# KiCad board hermod-left.kicad_pcb
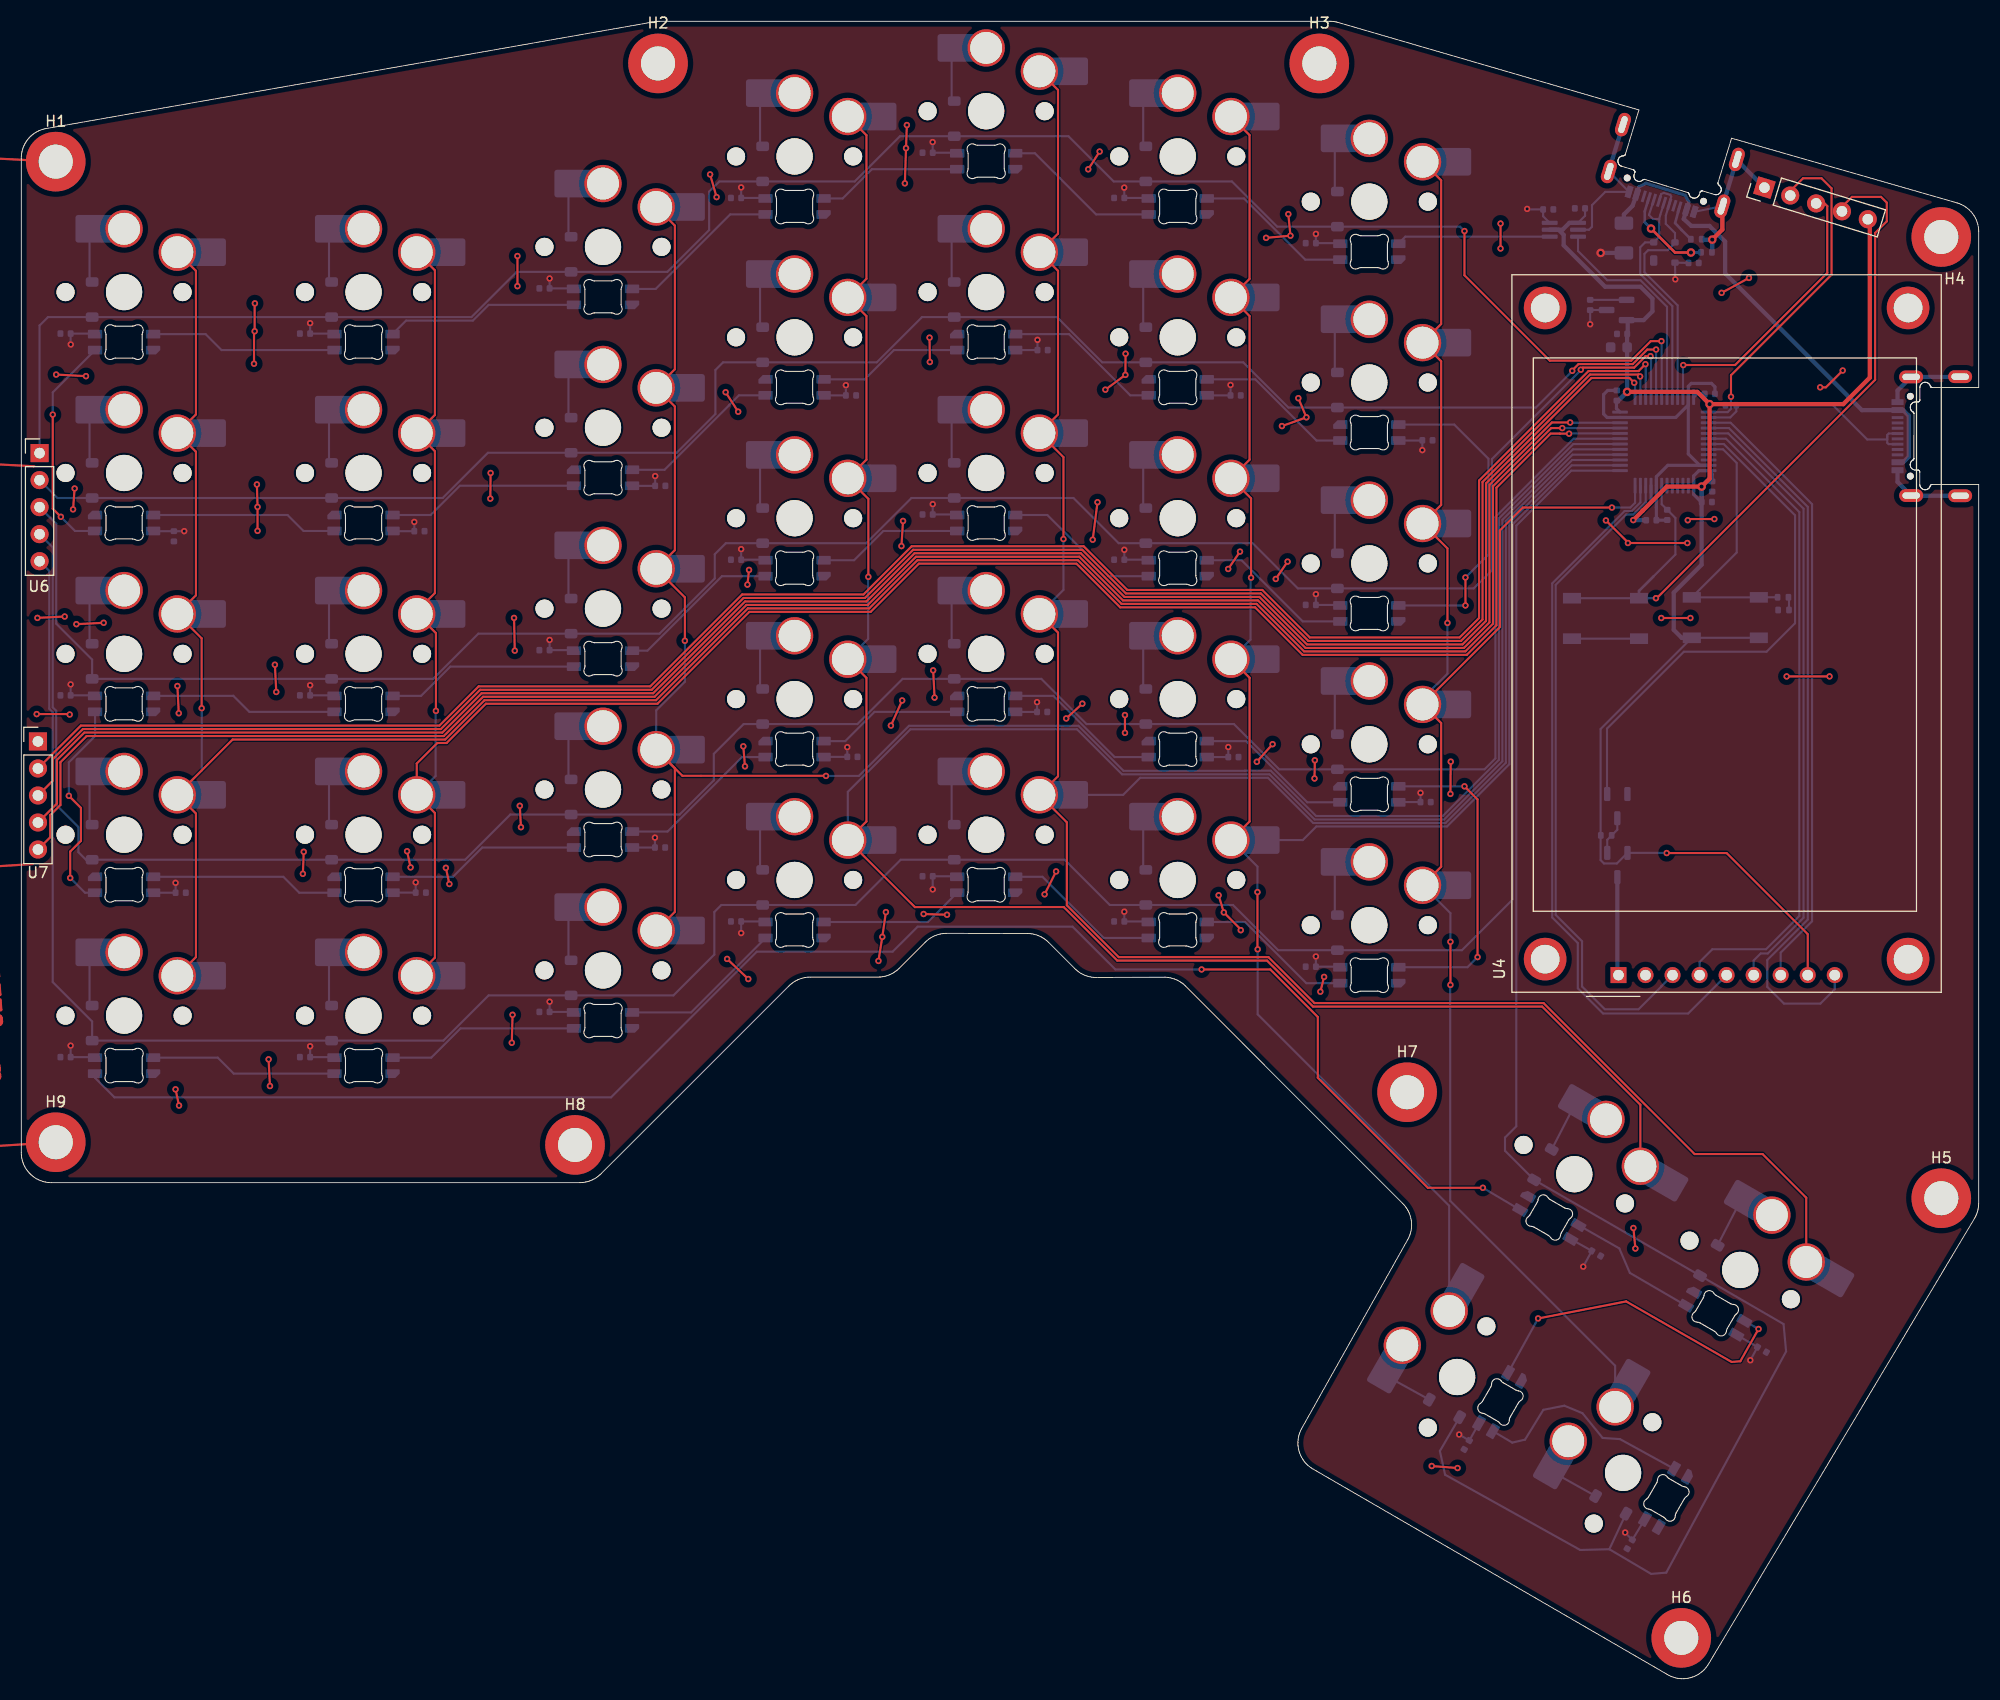
[diagram p0: board, top side]
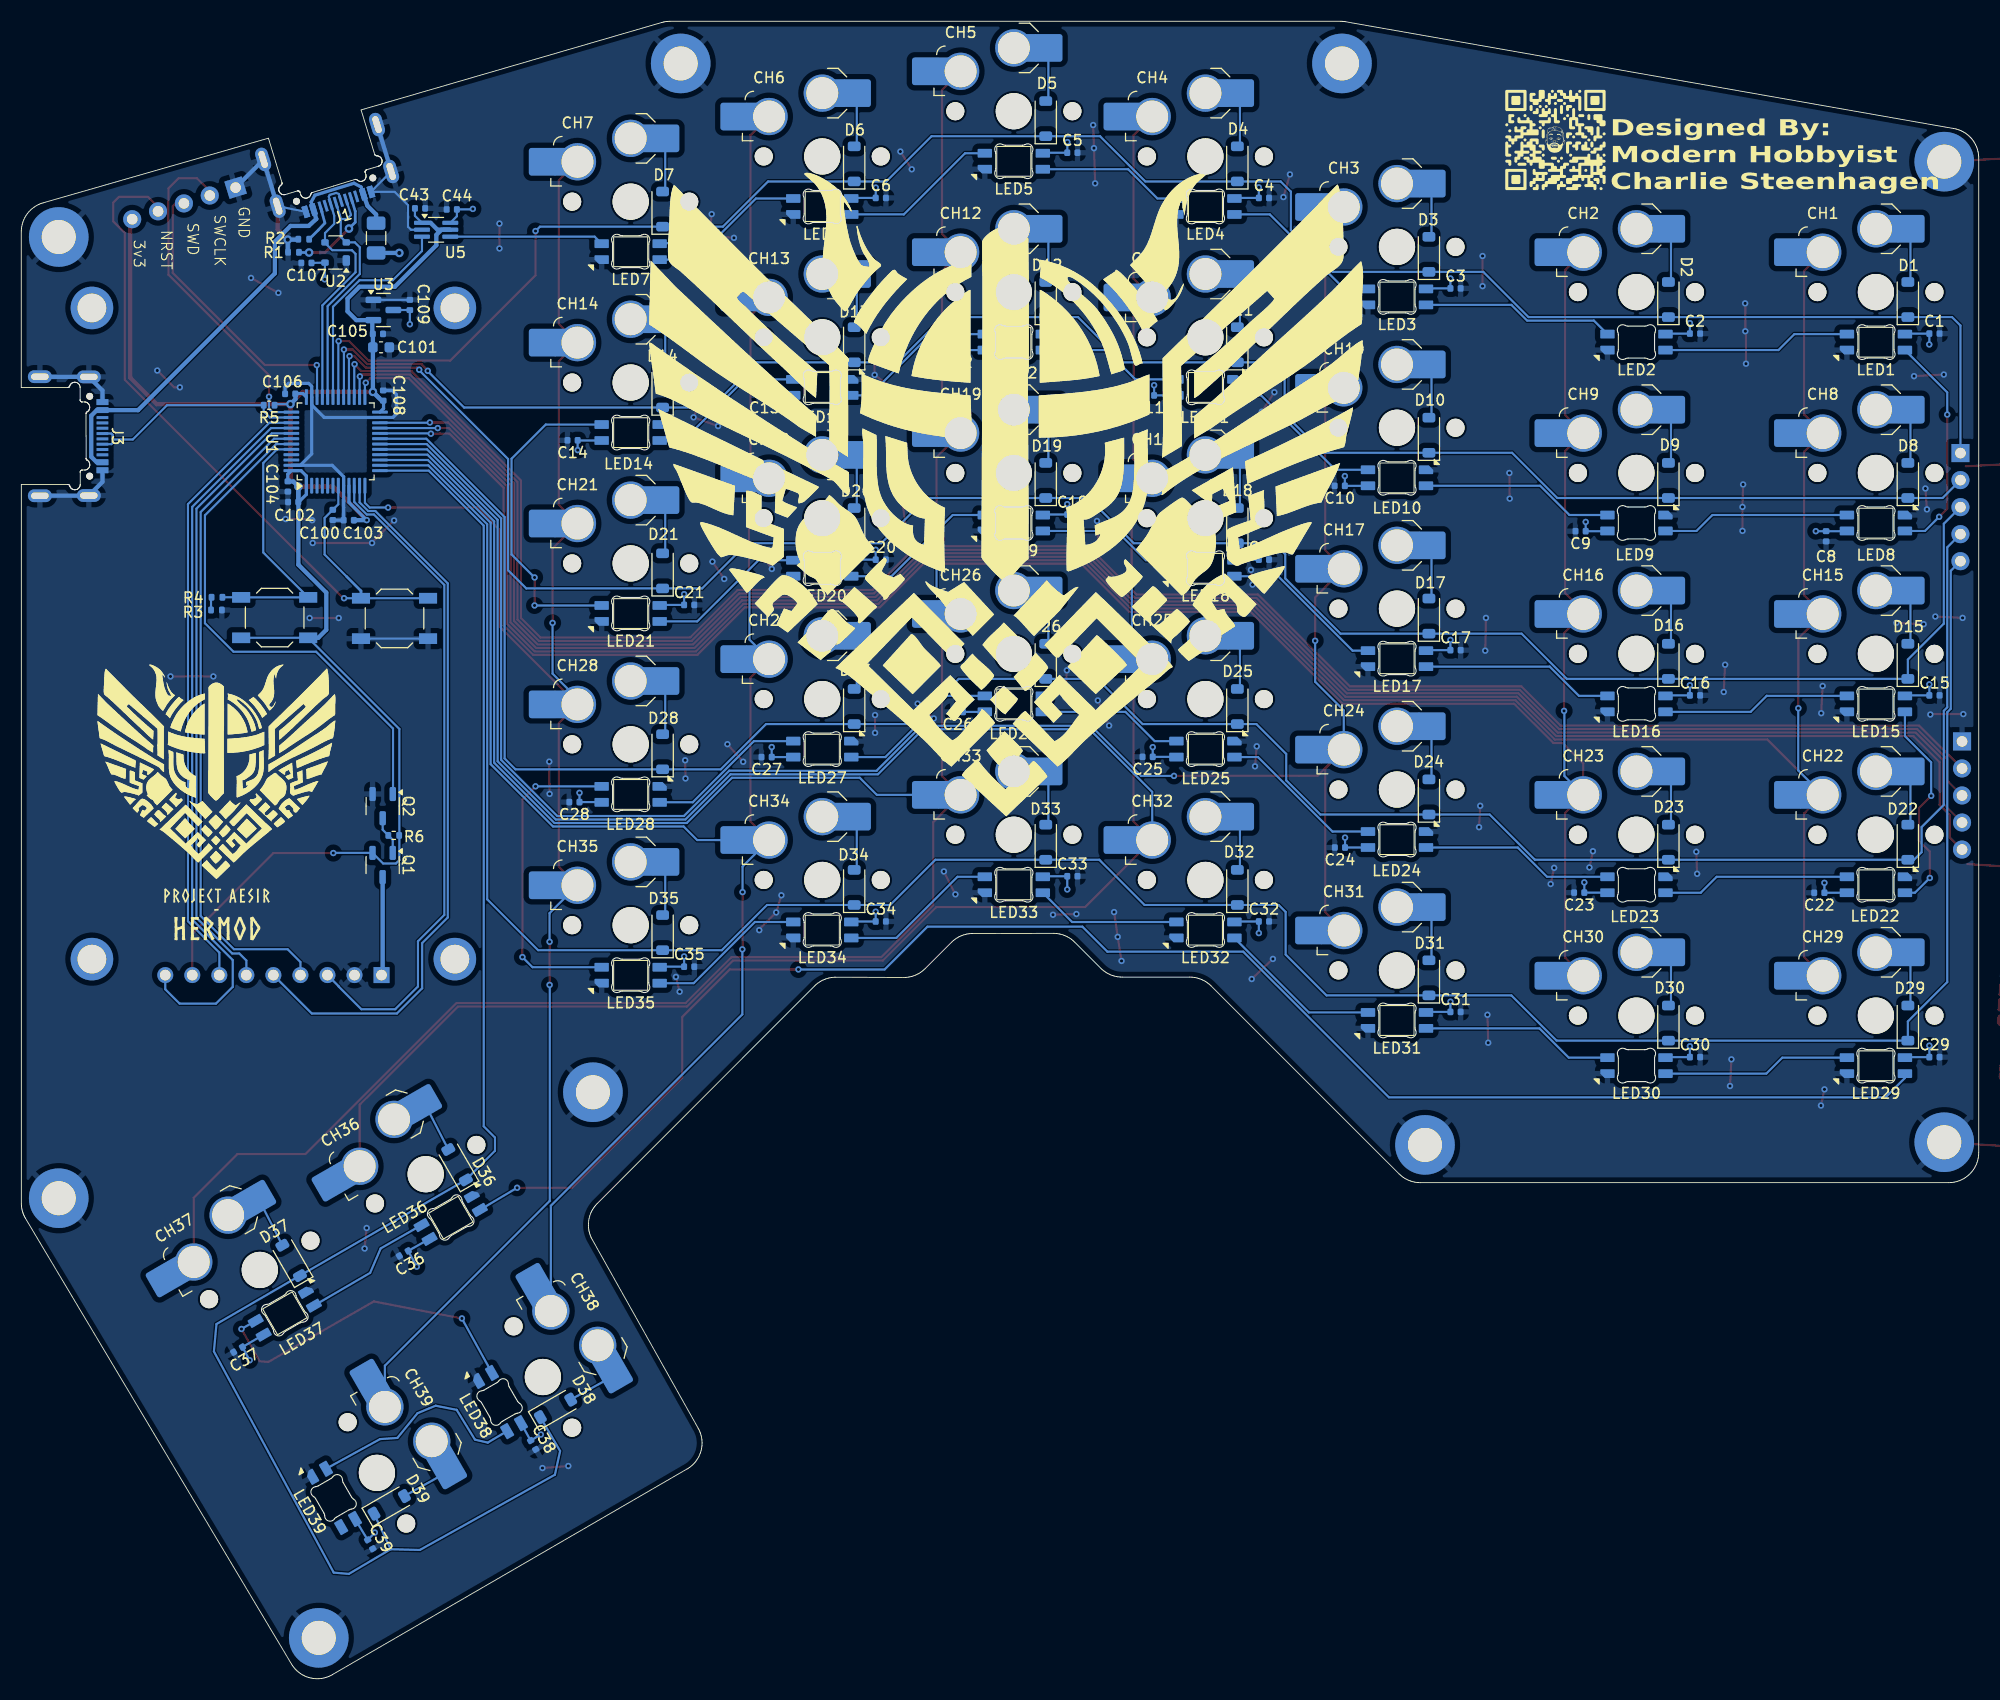
[diagram p1: board, bottom side, seen from below]

Outline 183.91 x 155.77 mm; copper layers: Top, Bottom. Coordinates in mm from the lower left corner of the outline.
Outline path: 177.82,116.8 177.82,114.7 177.82,114.68 177.82,114.65 177.81,114.63 177.8,114.6 177.79,114.58 177.77,114.56 177.75,114.54 177.73,114.53 177.7,114.52 177.68,114.5 177.66,114.49 177.64,114.47 177.63,114.45 177.61,114.43 177.59,114.42 177.58,114.4 177.56,114.38 177.55,114.36 177.54,114.34 177.53,114.31 177.52,114.29 177.51,114.27 177.5,114.25 177.49,114.22 177.49,114.2 177.48,114.18 177.48,114.15 177.48,114.13 177.48,114.11 177.48,114.08 177.48,114.06 177.48,114.03 177.48,114.01 177.49,113.99 177.49,113.96 177.5,113.94 177.51,113.91 177.52,113.89 177.53,113.87 177.54,113.85 177.56,113.82 177.58,113.79 177.6,113.76 177.62,113.74 177.65,113.72 177.67,113.7 177.7,113.68 177.73,113.66 177.75,113.65 177.78,113.63 177.81,113.62 177.85,113.61 177.88,113.6 177.91,113.6 177.94,113.6 177.98,113.59 178.18,113.59 178.2,113.59 178.22,113.59 178.24,113.59 178.26,113.58 178.27,113.57 178.29,113.56 178.31,113.55 178.32,113.54 178.33,113.52 178.34,113.51 178.35,113.49 178.36,113.47 178.37,113.45 178.37,113.43 178.38,113.41 178.38,113.39 178.38,112.24 178.38,112.22 178.38,112.19 178.38,112.17 178.39,112.14 178.39,112.12 178.4,112.1 178.41,112.07 178.42,112.05 178.43,112.03 178.44,112.01 178.45,111.98 178.46,111.96 178.48,111.94 178.49,111.93 178.51,111.91 178.53,111.89 178.54,111.87 178.56,111.86 178.58,111.84 178.6,111.83 178.62,111.82 178.64,111.8 178.66,111.79 178.69,111.78 178.71,111.77 178.73,111.77 178.75,111.76 178.78,111.75 178.8,111.75 178.83,111.75 178.85,111.74 178.88,111.74 178.9,111.74 178.92,111.74 178.94,111.75 178.96,111.75 178.98,111.75 179,111.76 179.02,111.76 179.04,111.77 179.06,111.78 179.08,111.78 179.09,111.79 179.11,111.8 179.13,111.81 179.15,111.82 179.16,111.83 179.18,111.84 179.19,111.85 179.21,111.87 179.22,111.88 179.24,111.89 179.25,111.91 179.26,111.92 179.28,111.94 179.29,111.95 179.3,111.97 179.31,111.99 179.32,112.01 179.33,112.02 179.34,112.04 179.35,112.06 179.35,112.08 179.36,112.12 179.37,112.14 179.39,112.16 179.4,112.17 179.41,112.18 179.42,112.19 179.43,112.2 179.44,112.21 179.46,112.22 179.47,112.23 179.49,112.23 179.5,112.24 179.52,112.24 179.53,112.24 179.55,112.24 183.91,112.24 183.91,44.7 183.91,44.6 183.9,44.51 183.9,44.41 183.88,44.32 183.87,44.22 183.85,44.13 183.83,44.04 183.81,43.95 183.78,43.86 183.75,43.77 183.72,43.68 183.68,43.59 183.65,43.5 183.6,43.42 183.56,43.33 183.51,43.25 158.52,1.38 158.45,1.25 158.37,1.14 158.28,1.03 158.19,0.92 158.09,0.82 157.99,0.73 157.89,0.64 157.78,0.55 157.67,0.47 157.55,0.4 157.44,0.33 157.32,0.27 157.19,0.22 157.07,0.17 156.94,0.13 156.81,0.09 156.68,0.06 156.55,0.04 156.41,0.02 156.28,0.01 156.14,0 156.01,0 155.87,0.01 155.74,0.02 155.6,0.04 155.47,0.07 155.34,0.11 155.2,0.15 155.07,0.2 154.94,0.25 154.81,0.31 154.69,0.38 121.36,19.71 121.23,19.79 121.12,19.87 121,19.96 120.9,20.05 120.8,20.14 120.7,20.24 120.61,20.34 120.52,20.45 120.44,20.56 120.37,20.67 120.3,20.79 120.24,20.91 120.18,21.03 120.13,21.16 120.09,21.28 120.05,21.41 120.02,21.54 119.99,21.67 119.97,21.81 119.96,21.94 119.95,22.08 119.95,22.21 119.96,22.35 119.97,22.48 119.99,22.62 120.01,22.75 120.05,22.89 120.08,23.02 120.13,23.15 120.18,23.28 120.24,23.41 120.31,23.54 130.27,41.28 130.33,41.38 130.38,41.49 130.42,41.6 130.46,41.7 130.5,41.81 130.53,41.92 130.56,42.03 130.58,42.15 130.6,42.26 130.62,42.37 130.63,42.6 130.63,42.82 130.6,43.05 130.56,43.27 130.51,43.48 130.43,43.7 130.39,43.8 130.34,43.9 130.29,44.01 130.23,44.11 130.17,44.2 130.11,44.3 130.04,44.39 129.96,44.48 129.89,44.57 129.8,44.66 109.39,65.1 109.28,65.2 109.18,65.29 109.07,65.38 108.95,65.46 108.84,65.53 108.71,65.6 108.59,65.66 108.46,65.72 108.33,65.77 108.2,65.81 108.07,65.85 107.93,65.88 107.8,65.9 107.66,65.92 107.52,65.93 107.38,65.93 101,65.91 100.86,65.91 100.72,65.92 100.59,65.94 100.45,65.96 100.31,65.99 100.18,66.03 100.05,66.07 99.92,66.12 99.79,66.17 99.67,66.24 99.55,66.3 99.43,66.38 99.32,66.46 99.2,66.54 99.1,66.63 99,66.73 96.52,69.21 96.42,69.31 96.31,69.4 96.2,69.48 96.09,69.56 95.97,69.64 95.85,69.7 95.73,69.77 95.6,69.82 95.48,69.87 95.35,69.91 95.21,69.95 95.08,69.98 94.94,70.01 94.81,70.02 94.67,70.03 94.53,70.04 86.94,70.05 86.8,70.05 86.66,70.04 86.52,70.02 86.38,70 86.25,69.97 86.12,69.93 85.99,69.89 85.86,69.84 85.73,69.78 85.61,69.72 85.49,69.65 85.37,69.58 85.26,69.5 85.15,69.41 85.04,69.32 84.94,69.23 82.48,66.77 82.38,66.67 82.27,66.58 82.16,66.49 82.05,66.41 81.93,66.34 81.81,66.27 81.69,66.21 81.56,66.16 81.43,66.11 81.3,66.06 81.17,66.03 81.04,66 80.9,65.97 80.76,65.96 80.62,65.95 80.48,65.94 74.13,65.94 73.99,65.94 73.85,65.93 73.71,65.91 73.57,65.89 73.44,65.86 73.3,65.82 73.17,65.78 73.05,65.73 72.92,65.67 72.8,65.61 72.68,65.54 72.56,65.47 72.45,65.39 72.34,65.3 72.23,65.21 72.13,65.12 54.46,47.45 54.36,47.35 54.25,47.26 54.15,47.18 54.03,47.1 53.91,47.02 53.79,46.96 53.67,46.89 53.55,46.84 53.42,46.79 53.29,46.75 53.15,46.71 53.02,46.68 52.88,46.65 52.74,46.64 52.6,46.63 52.47,46.62 2.82,46.62 2.68,46.63 2.53,46.64 2.39,46.66 2.25,46.68 2.12,46.71 1.98,46.75 1.85,46.79 1.72,46.85 1.6,46.9 1.48,46.96 1.36,47.03 1.24,47.11 1.13,47.18 1.03,47.27 0.92,47.36 0.83,47.45 0.73,47.55 0.64,47.65 0.56,47.76 0.48,47.87 0.41,47.98 0.34,48.1 0.28,48.22 0.22,48.35 0.17,48.48 0.13,48.61 0.09,48.74 0.06,48.88 0.03,49.02 0.01,49.16 0,49.3 0,49.45 0,142.91 0,143.04 0.01,143.17 0.03,143.29 0.04,143.42 0.07,143.54 0.1,143.66 0.13,143.78 0.17,143.89 0.22,144.01 0.27,144.12 0.32,144.23 0.38,144.33 0.45,144.44 0.51,144.54 0.59,144.64 0.66,144.73 0.74,144.82 0.82,144.91 0.91,144.99 1,145.07 1.1,145.15 1.2,145.22 1.3,145.29 1.4,145.35 1.51,145.41 1.62,145.47 1.73,145.52 1.85,145.56 1.97,145.6 2.09,145.64 2.21,145.67 2.34,145.69 59.49,155.73 59.55,155.74 59.61,155.75 59.67,155.76 59.73,155.76 59.79,155.77 59.85,155.77 59.91,155.77 59.97,155.77 122.94,155.77 123.04,155.77 123.14,155.77 123.24,155.76 123.34,155.74 123.44,155.73 123.54,155.71 123.63,155.69 123.73,155.66 151.99,147.44 150.71,143.27 150.71,143.25 150.7,143.24 150.69,143.23 150.68,143.21 150.67,143.2 150.66,143.19 150.65,143.18 150.64,143.17 150.63,143.16 150.61,143.15 150.6,143.15 150.58,143.14 150.57,143.14 150.55,143.13 150.54,143.13 150.49,143.13 150.47,143.13 150.44,143.12 150.42,143.12 150.39,143.11 150.37,143.11 150.35,143.1 150.32,143.09 150.3,143.08 150.28,143.07 150.26,143.06 150.24,143.04 150.22,143.03 150.2,143.02 150.18,143 150.16,142.98 150.15,142.97 150.13,142.95 150.12,142.93 150.1,142.91 150.09,142.89 150.08,142.87 150.07,142.85 150.06,142.83 150.05,142.8 150.04,142.78 150.03,142.76 150.03,142.73 150.02,142.71 150.02,142.68 150.02,142.66 150.02,142.63 150.02,142.61 150.02,142.59 150.02,142.57 150.02,142.55 150.02,142.53 150.03,142.51 150.03,142.49 150.04,142.47 150.05,142.45 150.05,142.43 150.06,142.42 150.07,142.4 150.08,142.38 150.09,142.36 150.1,142.35 150.11,142.33 150.12,142.32 150.14,142.3 150.15,142.29 150.16,142.27 150.18,142.26 150.19,142.24 150.21,142.23 150.22,142.22 150.24,142.21 150.26,142.2 150.27,142.19 150.29,142.18 150.31,142.17 150.33,142.16 150.35,142.16 150.37,142.15 151.47,141.81 151.49,141.81 151.51,141.8 151.52,141.79 151.54,141.78 151.55,141.76 151.57,141.75 151.58,141.73 151.59,141.72 151.6,141.7 151.6,141.68 151.61,141.66 151.61,141.64 151.61,141.62 151.61,141.6 151.61,141.58 151.6,141.56 151.54,141.37 151.54,141.35 151.53,141.32 151.53,141.3 151.52,141.27 151.52,141.25 151.52,141.22 151.52,141.2 151.52,141.17 151.53,141.15 151.53,141.13 151.54,141.1 151.54,141.08 151.55,141.06 151.56,141.03 151.57,141.01 151.58,140.99 151.59,140.97 151.6,140.95 151.62,140.93 151.63,140.91 151.65,140.89 151.66,140.88 151.68,140.86 151.7,140.84 151.72,140.83 151.74,140.81 151.76,140.8 151.78,140.79 151.8,140.78 151.83,140.77 151.85,140.76 151.87,140.75 151.91,140.74 151.94,140.73 151.97,140.73 152,140.73 152.04,140.73 152.07,140.73 152.1,140.73 152.13,140.74 152.16,140.75 152.19,140.76 152.22,140.77 152.25,140.78 152.28,140.8 152.31,140.82 152.34,140.84 152.37,140.87 152.38,140.88 152.39,140.89 152.4,140.89 152.42,140.9 152.43,140.9 152.44,140.91 152.45,140.91 152.47,140.91 152.48,140.91 152.49,140.92 152.5,140.92 152.52,140.91 152.53,140.91 152.54,140.91 152.56,140.91 156.56,139.68 156.58,139.68 156.59,139.67 156.6,139.67 156.61,139.66 156.62,139.65 156.63,139.64 156.64,139.64 156.65,139.63 156.66,139.62 156.67,139.61 156.67,139.6 156.68,139.58 156.69,139.57 156.69,139.56 156.7,139.55 156.71,139.51 156.71,139.49 156.72,139.46 156.73,139.44 156.74,139.42 156.76,139.4 156.77,139.37 156.78,139.35 156.8,139.33 156.81,139.32 156.83,139.3 156.85,139.28 156.87,139.27 156.88,139.25 156.9,139.24 156.92,139.22 156.94,139.21 156.97,139.2 156.99,139.19 157.01,139.18 157.03,139.17 157.05,139.17 157.08,139.16 157.1,139.15 157.13,139.15 157.15,139.15 157.18,139.15 157.2,139.15 157.22,139.15 157.25,139.15 157.27,139.16 157.3,139.16 157.33,139.17 157.36,139.18 157.39,139.19 157.42,139.21 157.45,139.22 157.48,139.24 157.51,139.26 157.53,139.28 157.55,139.31 157.57,139.33 157.59,139.36 157.61,139.38 157.63,139.41 157.64,139.44 157.66,139.47 157.67,139.5 157.73,139.69 157.73,139.71 157.74,139.73 157.75,139.75 157.76,139.76 157.78,139.78 157.79,139.79 157.81,139.8 157.82,139.81 157.84,139.82 157.86,139.83 157.88,139.83 157.9,139.83 157.92,139.84 157.94,139.84 157.96,139.83 157.98,139.83 159.08,139.49 159.1,139.49 159.13,139.48 159.15,139.48 159.18,139.47 159.2,139.47 159.23,139.47 159.25,139.47 159.28,139.47 159.3,139.48 159.32,139.48 159.35,139.49 159.37,139.49 159.39,139.5 159.42,139.51 159.44,139.52 159.46,139.53 159.48,139.54 159.5,139.55 159.52,139.57 159.54,139.58 159.56,139.6 159.58,139.61 159.59,139.63 159.61,139.65 159.62,139.67 159.64,139.69 159.65,139.71 159.66,139.73 159.67,139.75 159.69,139.78 159.69,139.8 159.7,139.82 159.71,139.84 159.71,139.86 159.72,139.88 159.72,139.9 159.72,139.92 159.72,139.94 159.72,139.96 159.72,139.98 159.72,140 159.72,140.02 159.72,140.04 159.72,140.06 159.71,140.08 159.71,140.1 159.7,140.12 159.69,140.14 159.69,140.15 159.68,140.17 159.67,140.19 159.66,140.21 159.65,140.23 159.64,140.24 159.63,140.26 159.62,140.27 159.61,140.29 159.59,140.3 159.58,140.32 159.57,140.33 159.55,140.35 159.53,140.36 159.52,140.37 159.49,140.39 159.48,140.41 159.46,140.42 159.45,140.43 159.44,140.44 159.44,140.46 159.43,140.47 159.42,140.48 159.42,140.5 159.42,140.51 159.41,140.53 159.41,140.55 159.41,140.56 159.41,140.58 159.42,140.59 159.42,140.61 160.69,144.78 181.87,138.71 181.98,138.67 182.09,138.63 182.2,138.59 182.31,138.54 182.51,138.43 182.7,138.31 182.88,138.18 183.05,138.03 183.2,137.87 183.35,137.69 183.47,137.51 183.59,137.31 183.68,137.11 183.76,136.9 183.83,136.68 183.88,136.46 183.89,136.34 183.9,136.23 183.91,136.11 183.91,135.99 183.91,121.35 179.55,121.35 179.53,121.35 179.51,121.36 179.48,121.36 179.46,121.37 179.44,121.39 179.42,121.4 179.41,121.42 179.39,121.44 179.38,121.46 179.37,121.48 179.35,121.52 179.35,121.54 179.34,121.56 179.32,121.59 179.31,121.61 179.3,121.63 179.29,121.65 179.27,121.67 179.25,121.69 179.24,121.7 179.22,121.72 179.2,121.74 179.18,121.75 179.16,121.76 179.14,121.78 179.12,121.79 179.1,121.8 179.08,121.81 179.06,121.82 179.03,121.83 179.01,121.83 178.99,121.84 178.96,121.84 178.94,121.85 178.92,121.85 178.89,121.85 178.87,121.85 178.84,121.85 178.82,121.84 178.79,121.84 178.77,121.84 178.74,121.83 178.72,121.82 178.7,121.82 178.67,121.8 178.63,121.78 178.6,121.76 178.57,121.73 178.54,121.71 178.51,121.68 178.48,121.65 178.46,121.62 178.44,121.58 178.43,121.55 178.41,121.51 178.4,121.47 178.39,121.43 178.39,121.39 178.39,121.37 178.39,121.35 178.39,120.2 178.38,120.18 178.38,120.16 178.38,120.14 178.37,120.12 178.36,120.1 178.35,120.09 178.34,120.07 178.33,120.06 178.31,120.04 178.3,120.03 178.28,120.02 178.26,120.01 178.24,120.01 178.22,120 178.2,120 178.18,120 177.98,120 177.96,120 177.93,120 177.91,119.99 177.88,119.99 177.86,119.98 177.83,119.98 177.81,119.97 177.79,119.96 177.77,119.95 177.74,119.94 177.72,119.92 177.7,119.91 177.68,119.9 177.66,119.88 177.65,119.87 177.63,119.85 177.61,119.83 177.6,119.81 177.58,119.8 177.57,119.78 177.55,119.76 177.54,119.73 177.53,119.71 177.52,119.69 177.51,119.67 177.5,119.65 177.5,119.62 177.49,119.6 177.49,119.57 177.49,119.55 177.48,119.52 177.48,119.5 177.48,119.46 177.49,119.43 177.49,119.4 177.5,119.37 177.51,119.33 177.52,119.3 177.53,119.27 177.55,119.25 177.57,119.22 177.59,119.19 177.61,119.17 177.63,119.14 177.65,119.12 177.68,119.1 177.7,119.08 177.74,119.06 177.75,119.05 177.76,119.04 177.77,119.03 177.78,119.02 177.79,119.01 177.8,119 177.8,118.99 177.81,118.98 177.82,118.97 177.82,118.95 177.82,118.94 177.83,118.93 177.83,118.92 177.83,118.9 177.83,118.89 177.83,116.79
Stack: Top 0.035mm / dielectric 1.51mm FR4 er 4.5 / Bottom 0.035mm

## Placement (name value [footprint] x y rotation side)
BOOT1  SW_SPST  [SW_SPST_TL3342]  160.11 99.73 0 bottom
C1  0.1uF  [C_0402_1005Metric]  4.16 126.42 180 bottom
C2  0.1uF  [C_0402_1005Metric]  26.66 126.42 180 bottom
C3  0.1uF  [C_0402_1005Metric]  49.16 130.67 180 bottom
C4  0.1uF  [C_0402_1005Metric]  67.16 139.17 180 bottom
C5  0.1uF  [C_0402_1005Metric]  85.16 143.42 180 bottom
C6  0.1uF  [C_0402_1005Metric]  103.16 139.17 180 bottom
C7  0.1uF  [C_0402_1005Metric]  121.16 134.92 180 bottom
C8  0.1uF  [C_0402_1005Metric]  14.34 107.37 270 bottom
C9  0.1uF  [C_0402_1005Metric]  37.41 107.85 0 bottom
C10  0.1uF  [C_0402_1005Metric]  60.04 112.11 0 bottom
C11  0.1uF  [C_0402_1005Metric]  77.96 120.61 0 bottom
C12  0.1uF  [C_0402_1005Metric]  95.96 124.87 0 bottom
C13  0.1uF  [C_0402_1005Metric]  114.1 120.61 0 bottom
C14  0.1uF  [C_0402_1005Metric]  132.12 116.39 0 bottom
C15  0.1uF  [C_0402_1005Metric]  4.16 92.42 180 bottom
C16  0.1uF  [C_0402_1005Metric]  26.66 92.42 180 bottom
C17  0.1uF  [C_0402_1005Metric]  49.16 96.67 180 bottom
C18  0.1uF  [C_0402_1005Metric]  67.16 105.17 180 bottom
C19  0.1uF  [C_0402_1005Metric]  85.16 109.42 180 bottom
C20  0.1uF  [C_0402_1005Metric]  103.16 105.17 180 bottom
C21  0.1uF  [C_0402_1005Metric]  121.16 100.92 180 bottom
C22  0.1uF  [C_0402_1005Metric]  14.98 73.87 0 bottom
C23  0.1uF  [C_0402_1005Metric]  37.54 73.88 0 bottom
C24  0.1uF  [C_0402_1005Metric]  60.02 78.12 0 bottom
C25  0.1uF  [C_0402_1005Metric]  78.09 86.64 0 bottom
C26  0.1uF  [C_0402_1005Metric]  95.92 90.86 0 bottom
C27  0.1uF  [C_0402_1005Metric]  113.89 86.62 0 bottom
C28  0.1uF  [C_0402_1005Metric]  131.95 82.39 0 bottom
C29  0.1uF  [C_0402_1005Metric]  4.16 58.42 180 bottom
C30  0.1uF  [C_0402_1005Metric]  26.66 58.42 180 bottom
C31  0.1uF  [C_0402_1005Metric]  49.16 62.67 180 bottom
C32  0.1uF  [C_0402_1005Metric]  67.16 71.17 180 bottom
C33  0.1uF  [C_0402_1005Metric]  85.16 75.42 180 bottom
C34  0.1uF  [C_0402_1005Metric]  103.16 71.17 180 bottom
C35  0.1uF  [C_0402_1005Metric]  121.16 66.92 180 bottom
C36  0.1uF  [C_0402_1005Metric]  147.98 39.97 330 bottom
C37  0.1uF  [C_0402_1005Metric]  163.55 30.93 330 bottom
C38  0.1uF  [C_0402_1005Metric]  135.81 21.96 240 bottom
C39  0.1uF  [C_0402_1005Metric]  151.13 12.63 240 bottom
C43  0.1uF  [C_0402_1005Metric]  146.45 138.19 0 bottom
C44  0.1uF  [C_0402_1005Metric]  143.47 138.09 0 bottom
C100  100nF  [C_0402_1005Metric]  154.65 109.38 270 bottom
C101  10uF  [C_0603_1608Metric]  150.11 125.13 180 bottom
C102  100nF  [C_0402_1005Metric]  158.37 110.59 0 bottom
C103  100nF  [C_0402_1005Metric]  153.15 108.88 0 bottom
C104  100nF  [C_0402_1005Metric]  158.87 112.05 270 bottom
C105  100nF  [C_0402_1005Metric]  150.41 126.39 180 bottom
C106  100nF  [C_0402_1005Metric]  158.65 120.76 0 bottom
C107  1uF  [C_0402_1005Metric]  157.13 133.06 0 bottom
C108  1uF  [C_0402_1005Metric]  149.91 120.6 90 bottom
C109  100nF  [C_0402_1005Metric]  147.41 129.11 90 bottom
CH1  choc_v1_SW_HS  [SW_choc_v1_HS_CPG135001S30_1u]  9.66 130.32 0 bottom
CH2  choc_v1_SW_HS  [SW_choc_v1_HS_CPG135001S30_1.5u]  32.16 130.32 0 bottom
CH3  choc_v1_SW_HS  [SW_choc_v1_HS_CPG135001S30_1u]  54.66 134.57 0 bottom
CH4  choc_v1_SW_HS  [SW_choc_v1_HS_CPG135001S30_1u]  72.66 143.07 0 bottom
CH5  choc_v1_SW_HS  [SW_choc_v1_HS_CPG135001S30_1u]  90.66 147.32 0 bottom
CH6  choc_v1_SW_HS  [SW_choc_v1_HS_CPG135001S30_1u]  108.66 143.07 0 bottom
CH7  choc_v1_SW_HS  [SW_choc_v1_HS_CPG135001S30_1u]  126.66 138.82 0 bottom
CH8  choc_v1_SW_HS  [SW_choc_v1_HS_CPG135001S30_1u]  9.66 113.32 0 bottom
CH9  choc_v1_SW_HS  [SW_choc_v1_HS_CPG135001S30_1.5u]  32.16 113.32 0 bottom
CH10  choc_v1_SW_HS  [SW_choc_v1_HS_CPG135001S30_1u]  54.66 117.57 0 bottom
CH11  choc_v1_SW_HS  [SW_choc_v1_HS_CPG135001S30_1u]  72.66 126.07 0 bottom
CH12  choc_v1_SW_HS  [SW_choc_v1_HS_CPG135001S30_1u]  90.66 130.32 0 bottom
CH13  choc_v1_SW_HS  [SW_choc_v1_HS_CPG135001S30_1u]  108.66 126.07 0 bottom
CH14  choc_v1_SW_HS  [SW_choc_v1_HS_CPG135001S30_1u]  126.66 121.82 0 bottom
CH15  choc_v1_SW_HS  [SW_choc_v1_HS_CPG135001S30_1u]  9.66 96.32 0 bottom
CH16  choc_v1_SW_HS  [SW_choc_v1_HS_CPG135001S30_1.5u]  32.16 96.32 0 bottom
CH17  choc_v1_SW_HS  [SW_choc_v1_HS_CPG135001S30_1u]  54.66 100.57 0 bottom
CH18  choc_v1_SW_HS  [SW_choc_v1_HS_CPG135001S30_1u]  72.66 109.07 0 bottom
CH19  choc_v1_SW_HS  [SW_choc_v1_HS_CPG135001S30_1u]  90.66 113.32 0 bottom
CH20  choc_v1_SW_HS  [SW_choc_v1_HS_CPG135001S30_1u]  108.66 109.07 0 bottom
CH21  choc_v1_SW_HS  [SW_choc_v1_HS_CPG135001S30_1u]  126.66 104.82 0 bottom
CH22  choc_v1_SW_HS  [SW_choc_v1_HS_CPG135001S30_1u]  9.66 79.32 0 bottom
CH23  choc_v1_SW_HS  [SW_choc_v1_HS_CPG135001S30_1.5u]  32.16 79.32 0 bottom
CH24  choc_v1_SW_HS  [SW_choc_v1_HS_CPG135001S30_1u]  54.66 83.57 0 bottom
CH25  choc_v1_SW_HS  [SW_choc_v1_HS_CPG135001S30_1u]  72.66 92.07 0 bottom
CH26  choc_v1_SW_HS  [SW_choc_v1_HS_CPG135001S30_1u]  90.66 96.32 0 bottom
CH27  choc_v1_SW_HS  [SW_choc_v1_HS_CPG135001S30_1u]  108.66 92.07 0 bottom
CH28  choc_v1_SW_HS  [SW_choc_v1_HS_CPG135001S30_1u]  126.66 87.82 0 bottom
CH29  choc_v1_SW_HS  [SW_choc_v1_HS_CPG135001S30_1u]  9.66 62.32 0 bottom
CH30  choc_v1_SW_HS  [SW_choc_v1_HS_CPG135001S30_1.5u]  32.16 62.32 0 bottom
CH31  choc_v1_SW_HS  [SW_choc_v1_HS_CPG135001S30_1u]  54.66 66.57 0 bottom
CH32  choc_v1_SW_HS  [SW_choc_v1_HS_CPG135001S30_1u]  72.66 75.07 0 bottom
CH33  choc_v1_SW_HS  [SW_choc_v1_HS_CPG135001S30_1u]  90.66 79.32 0 bottom
CH34  choc_v1_SW_HS  [SW_choc_v1_HS_CPG135001S30_1u]  108.66 75.07 0 bottom
CH35  choc_v1_SW_HS  [SW_choc_v1_HS_CPG135001S30_1u]  126.66 70.82 0 bottom
CH36  choc_v1_SW_HS  [SW_choc_v1_HS_CPG135001S30_1u]  145.92 47.42 330 bottom
CH37  choc_v1_SW_HS  [SW_choc_v1_HS_CPG135001S30_1u]  161.51 38.42 330 bottom
CH38  choc_v1_SW_HS  [SW_choc_v1_HS_CPG135001S30_1.5u]  134.91 28.36 60 bottom
CH39  choc_v1_SW_HS  [SW_choc_v1_HS_CPG135001S30_1.5u]  150.5 19.35 60 bottom
D1  D  [D_SOD-123]  6.66 129.62 90 bottom
D2  D  [D_SOD-123]  29.16 129.62 90 bottom
D3  D  [D_SOD-123]  51.66 133.87 90 bottom
D4  D  [D_SOD-123]  69.66 142.37 90 bottom
D5  D  [D_SOD-123]  87.66 146.62 90 bottom
D6  D  [D_SOD-123]  105.66 142.37 90 bottom
D7  D  [D_SOD-123]  123.66 138.12 90 bottom
D8  D  [D_SOD-123]  6.66 112.62 90 bottom
D9  D  [D_SOD-123]  29.16 112.62 90 bottom
D10  D  [D_SOD-123]  51.66 116.87 90 bottom
D11  D  [D_SOD-123]  69.66 125.37 90 bottom
D12  D  [D_SOD-123]  87.66 129.62 90 bottom
D13  D  [D_SOD-123]  105.66 125.37 90 bottom
D14  D  [D_SOD-123]  123.66 121.12 90 bottom
D15  D  [D_SOD-123]  6.66 95.62 90 bottom
D16  D  [D_SOD-123]  29.16 95.62 90 bottom
D17  D  [D_SOD-123]  51.66 99.87 90 bottom
D18  D  [D_SOD-123]  69.66 108.37 90 bottom
D19  D  [D_SOD-123]  87.66 112.62 90 bottom
D20  D  [D_SOD-123]  105.66 108.37 90 bottom
D21  D  [D_SOD-123]  123.66 104.12 90 bottom
D22  D  [D_SOD-123]  6.66 78.62 90 bottom
D23  D  [D_SOD-123]  29.16 78.62 90 bottom
D24  D  [D_SOD-123]  51.66 82.87 90 bottom
D25  D  [D_SOD-123]  69.66 91.37 90 bottom
D26  D  [D_SOD-123]  87.66 95.62 90 bottom
D27  D  [D_SOD-123]  105.66 91.37 90 bottom
D28  D  [D_SOD-123]  123.66 87.12 90 bottom
D29  D  [D_SOD-123]  6.66 61.62 90 bottom
D30  D  [D_SOD-123]  29.16 61.62 90 bottom
D31  D  [D_SOD-123]  51.66 65.87 90 bottom
D32  D  [D_SOD-123]  69.66 74.37 90 bottom
D33  D  [D_SOD-123]  87.66 78.62 90 bottom
D34  D  [D_SOD-123]  105.66 74.37 90 bottom
D35  D  [D_SOD-123]  123.66 70.12 90 bottom
D36  D  [D_SOD-123]  142.97 48.31 60 bottom
D37  D  [D_SOD-123]  158.56 39.31 60 bottom
D38  D  [D_SOD-123]  133.72 25.41 150 bottom
D39  D  [D_SOD-123]  149.35 16.34 150 bottom
F1  500mA  [Fuse_1206_3216Metric]  150.58 135.4 270 bottom
H1  MountingHole_Pad  [MountingHole_3.2mm_M3_DIN965_Pad]  3.24 142.58 0 top
H2  MountingHole_Pad  [MountingHole_3.2mm_M3_DIN965_Pad]  59.83 151.81 0 top
H3  MountingHole_Pad  [MountingHole_3.2mm_M3_DIN965_Pad]  121.96 151.81 0 top
H4  MountingHole_Pad  [MountingHole_3.2mm_M3_DIN965_Pad]  180.4 135.5 0 top
H5  MountingHole_Pad  [MountingHole_3.2mm_M3_DIN965_Pad]  180.4 45.16 0 top
H6  MountingHole_Pad  [MountingHole_3.2mm_M3_DIN965_Pad]  155.97 3.84 0 top
H7  MountingHole_Pad  [MountingHole_3.2mm_M3_DIN965_Pad]  130.21 55.12 0 top
H8  MountingHole_Pad  [MountingHole_3.2mm_M3_DIN965_Pad]  52.03 50.17 0 top
H9  MountingHole_Pad  [MountingHole_3.2mm_M3_DIN965_Pad]  3.24 50.42 0 top
J1  USB_C_Receptacle_USB2.0  [USB_C_Receptacle_HRO_TYPE-C-31-M-14]  154.47 139.95 343 bottom
J2  Conn_01x05  [PinHeader_1x05_P2.54mm_Vertical]  163.78 140.14 73 top
J3  USB_C_Receptacle_USB2.0  [USB_C_Receptacle_HRO_TYPE-C-31-M-14]  177.49 116.78 270 bottom
LED1  choc_SK6812MINI-E  [LED_choc_6028R]  9.66 125.62 0 bottom
LED2  choc_SK6812MINI-E  [LED_choc_6028R]  32.16 125.62 0 bottom
LED3  choc_SK6812MINI-E  [LED_choc_6028R]  54.66 129.87 0 bottom
LED4  choc_SK6812MINI-E  [LED_choc_6028R]  72.66 138.37 0 bottom
LED5  choc_SK6812MINI-E  [LED_choc_6028R]  90.66 142.62 0 bottom
LED6  choc_SK6812MINI-E  [LED_choc_6028R]  108.66 138.37 0 bottom
LED7  choc_SK6812MINI-E  [LED_choc_6028R]  126.66 134.12 0 bottom
LED8  choc_SK6812MINI-E  [LED_choc_6028R]  9.66 108.62 180 bottom
LED9  choc_SK6812MINI-E  [LED_choc_6028R]  32.16 108.62 180 bottom
LED10  choc_SK6812MINI-E  [LED_choc_6028R]  54.66 112.87 180 bottom
LED11  choc_SK6812MINI-E  [LED_choc_6028R]  72.66 121.37 180 bottom
LED12  choc_SK6812MINI-E  [LED_choc_6028R]  90.66 125.62 180 bottom
LED13  choc_SK6812MINI-E  [LED_choc_6028R]  108.66 121.37 180 bottom
LED14  choc_SK6812MINI-E  [LED_choc_6028R]  126.66 117.12 180 bottom
LED15  choc_SK6812MINI-E  [LED_choc_6028R]  9.66 91.62 0 bottom
LED16  choc_SK6812MINI-E  [LED_choc_6028R]  32.16 91.62 0 bottom
LED17  choc_SK6812MINI-E  [LED_choc_6028R]  54.66 95.87 0 bottom
LED18  choc_SK6812MINI-E  [LED_choc_6028R]  72.66 104.37 0 bottom
LED19  choc_SK6812MINI-E  [LED_choc_6028R]  90.66 108.62 0 bottom
LED20  choc_SK6812MINI-E  [LED_choc_6028R]  108.66 104.37 0 bottom
LED21  choc_SK6812MINI-E  [LED_choc_6028R]  126.66 100.12 0 bottom
LED22  choc_SK6812MINI-E  [LED_choc_6028R]  9.66 74.62 180 bottom
LED23  choc_SK6812MINI-E  [LED_choc_6028R]  32.16 74.62 180 bottom
LED24  choc_SK6812MINI-E  [LED_choc_6028R]  54.66 78.87 180 bottom
LED25  choc_SK6812MINI-E  [LED_choc_6028R]  72.66 87.37 180 bottom
LED26  choc_SK6812MINI-E  [LED_choc_6028R]  90.66 91.62 180 bottom
LED27  choc_SK6812MINI-E  [LED_choc_6028R]  108.66 87.37 180 bottom
LED28  choc_SK6812MINI-E  [LED_choc_6028R]  126.66 83.12 180 bottom
LED29  choc_SK6812MINI-E  [LED_choc_6028R]  9.66 57.62 0 bottom
LED30  choc_SK6812MINI-E  [LED_choc_6028R]  32.16 57.62 0 bottom
LED31  choc_SK6812MINI-E  [LED_choc_6028R]  54.66 61.87 0 bottom
LED32  choc_SK6812MINI-E  [LED_choc_6028R]  72.66 70.37 0 bottom
LED33  choc_SK6812MINI-E  [LED_choc_6028R]  90.66 74.62 0 bottom
LED34  choc_SK6812MINI-E  [LED_choc_6028R]  108.66 70.37 0 bottom
LED35  choc_SK6812MINI-E  [LED_choc_6028R]  126.66 66.12 0 bottom
LED36  choc_SK6812MINI-E  [LED_choc_6028R]  143.57 43.35 150 bottom
LED37  choc_SK6812MINI-E  [LED_choc_6028R]  159.16 34.35 150 bottom
LED38  choc_SK6812MINI-E  [LED_choc_6028R]  138.98 26.01 60 bottom
LED39  choc_SK6812MINI-E  [LED_choc_6028R]  154.57 17 60 bottom
Q1  AO3401A  [SOT-23-3]  149.96 76.48 270 bottom
Q2  MMUN2233LT1G  [SOT-23-3]  149.96 82.01 270 bottom
R1  5.1k  [R_0402_1005Metric]  158.34 134.06 180 bottom
R2  5.1k  [R_0402_1005Metric]  157.38 135.29 0 bottom
R3  5.1k  [R_0402_1005Metric]  165.53 101.64 0 bottom
R4  5.1k  [R_0402_1005Metric]  165.58 100.44 180 bottom
R5  5.1k  [R_0402_1005Metric]  160.63 119.69 0 bottom
R6  10k  [R_0402_1005Metric]  148.92 79.26 0 bottom
RST1  SW_SPST  [SW_SPST_TL3342]  148.85 99.65 180 bottom
U1  STM32F072CBT6  [LQFP-48_7x7mm_P0.5mm]  154.38 116.29 90 bottom
U2  PRTR5V0U2X  [SOT-143]  154.38 134.04 0 bottom
U3  XC6206PxxxMR-Regulator_Linear  [SOT-23]  149.89 128.64 180 bottom
U4  -  [CR2013-MI2120]  150.07 66.13 90 top
U5  TXB0101  [SOT-363_SC-70-6_Handsoldering]  144.94 136.18 180 bottom
U6  ~  [Pogo_2.54mm_5p]  1.72 110.08 0 top
U7  ~  [Pogo_2.54mm_5p]  1.57 82.98 0 top

## Library data of the parts
C1-C39 = -: Description: Unpolarized capacitor; ki_fp_filters: C_*
C43 C44 C100-C109 = -: LCSC: C307331; ki_fp_filters: C_*
CH1-CH39 = -: Description: Push button switch, normally open, two pins, 45° tilted
D1-D39 = -: Description: Diode; Sim.Pins: 1=K 2=A; ki_fp_filters: TO-???* *_Diode_* *SingleDiode* D_*
F1 = -: LCSC: C135341; ki_fp_filters: *polyfuse* *PTC*
H1-H9 = -: Description: Mounting Hole with connection; ki_fp_filters: MountingHole*Pad*
J1 = -: Datasheet: https://www.usb.org/sites/default/files/documents/usb_type-c.zip; JlcPosOffset: 0,1.5; JlcRotOffset: 180; ki_fp_filters: USB*C*Receptacle*
J2 = -: Description: Generic connector, single row, 01x05, script generated (kicad-library-utils/schlib/autogen/connector/); ki_fp_filters: Connector*:*_1x??_*
J3 = -: Datasheet: https://www.usb.org/sites/default/files/documents/usb_type-c.zip; JlcRotOffset: 180; JlcPosOffset: 0,1.5; ki_fp_filters: USB*C*Receptacle*
LED1-LED39 = -: Description: Reverse mount adressable LED (WS2812 protocol)
Q1 = -: ki_fp_filters: SOT?23*
R1-R4 R6 = -: ki_fp_filters: R_*
R5 = -: Description: Resistor; ki_fp_filters: R_*
U1 = -: Datasheet: https://www.st.com/resource/en/datasheet/stm32f072cb.pdf; JlcRotOffset: 90; ki_fp_filters: LQFP*7x7mm*P0.5mm*
U2 = -: Datasheet: https://assets.nexperia.com/documents/data-sheet/PRTR5V0U2X.pdf; LCSC: C2827688; JlcRotOffset: 90; ki_fp_filters: SOT?143*
U3 = -: Datasheet: https://www.torexsemi.com/file/xc6206/XC6206.pdf; LCSC: C5446; ki_fp_filters: SOT?23*
U4 = -: Datasheet: http://pan.baidu.com/s/11Y990; Description: ILI9341 controller, SPI TFT LCD Display, 9-pin breakout PCB, 4-pin SD card interface, 5V/3.3V; ki_fp_filters: *CR2013*MI2120*
U5 = -: Datasheet: https://datasheet.lcsc.com/szlcsc/Texas-Instruments-TI-TXB0101DCKR_C324081.pdf; Description: 1-Bit Bidirectional Voltage-Level Translator; LCSC: C324081; ki_fp_filters: TSSOP*P0.65mm*
